# Altium PCB PCB1.PcbDoc (part 4 of 5)
Units mm, origin at the board's own origin, x right, y up, seen from the top; angles counter-clockwise.
Board outline 85 x 56 mm, 6 copper layers (Top Layer, GND, SIG_PWR, Layer 4, PWR, Bottom Layer), stack 1.549 mm thick; 170 components, 334 nets, 1426 pads, 803 vias.
Unrouted connection lines stored in the file: 7.
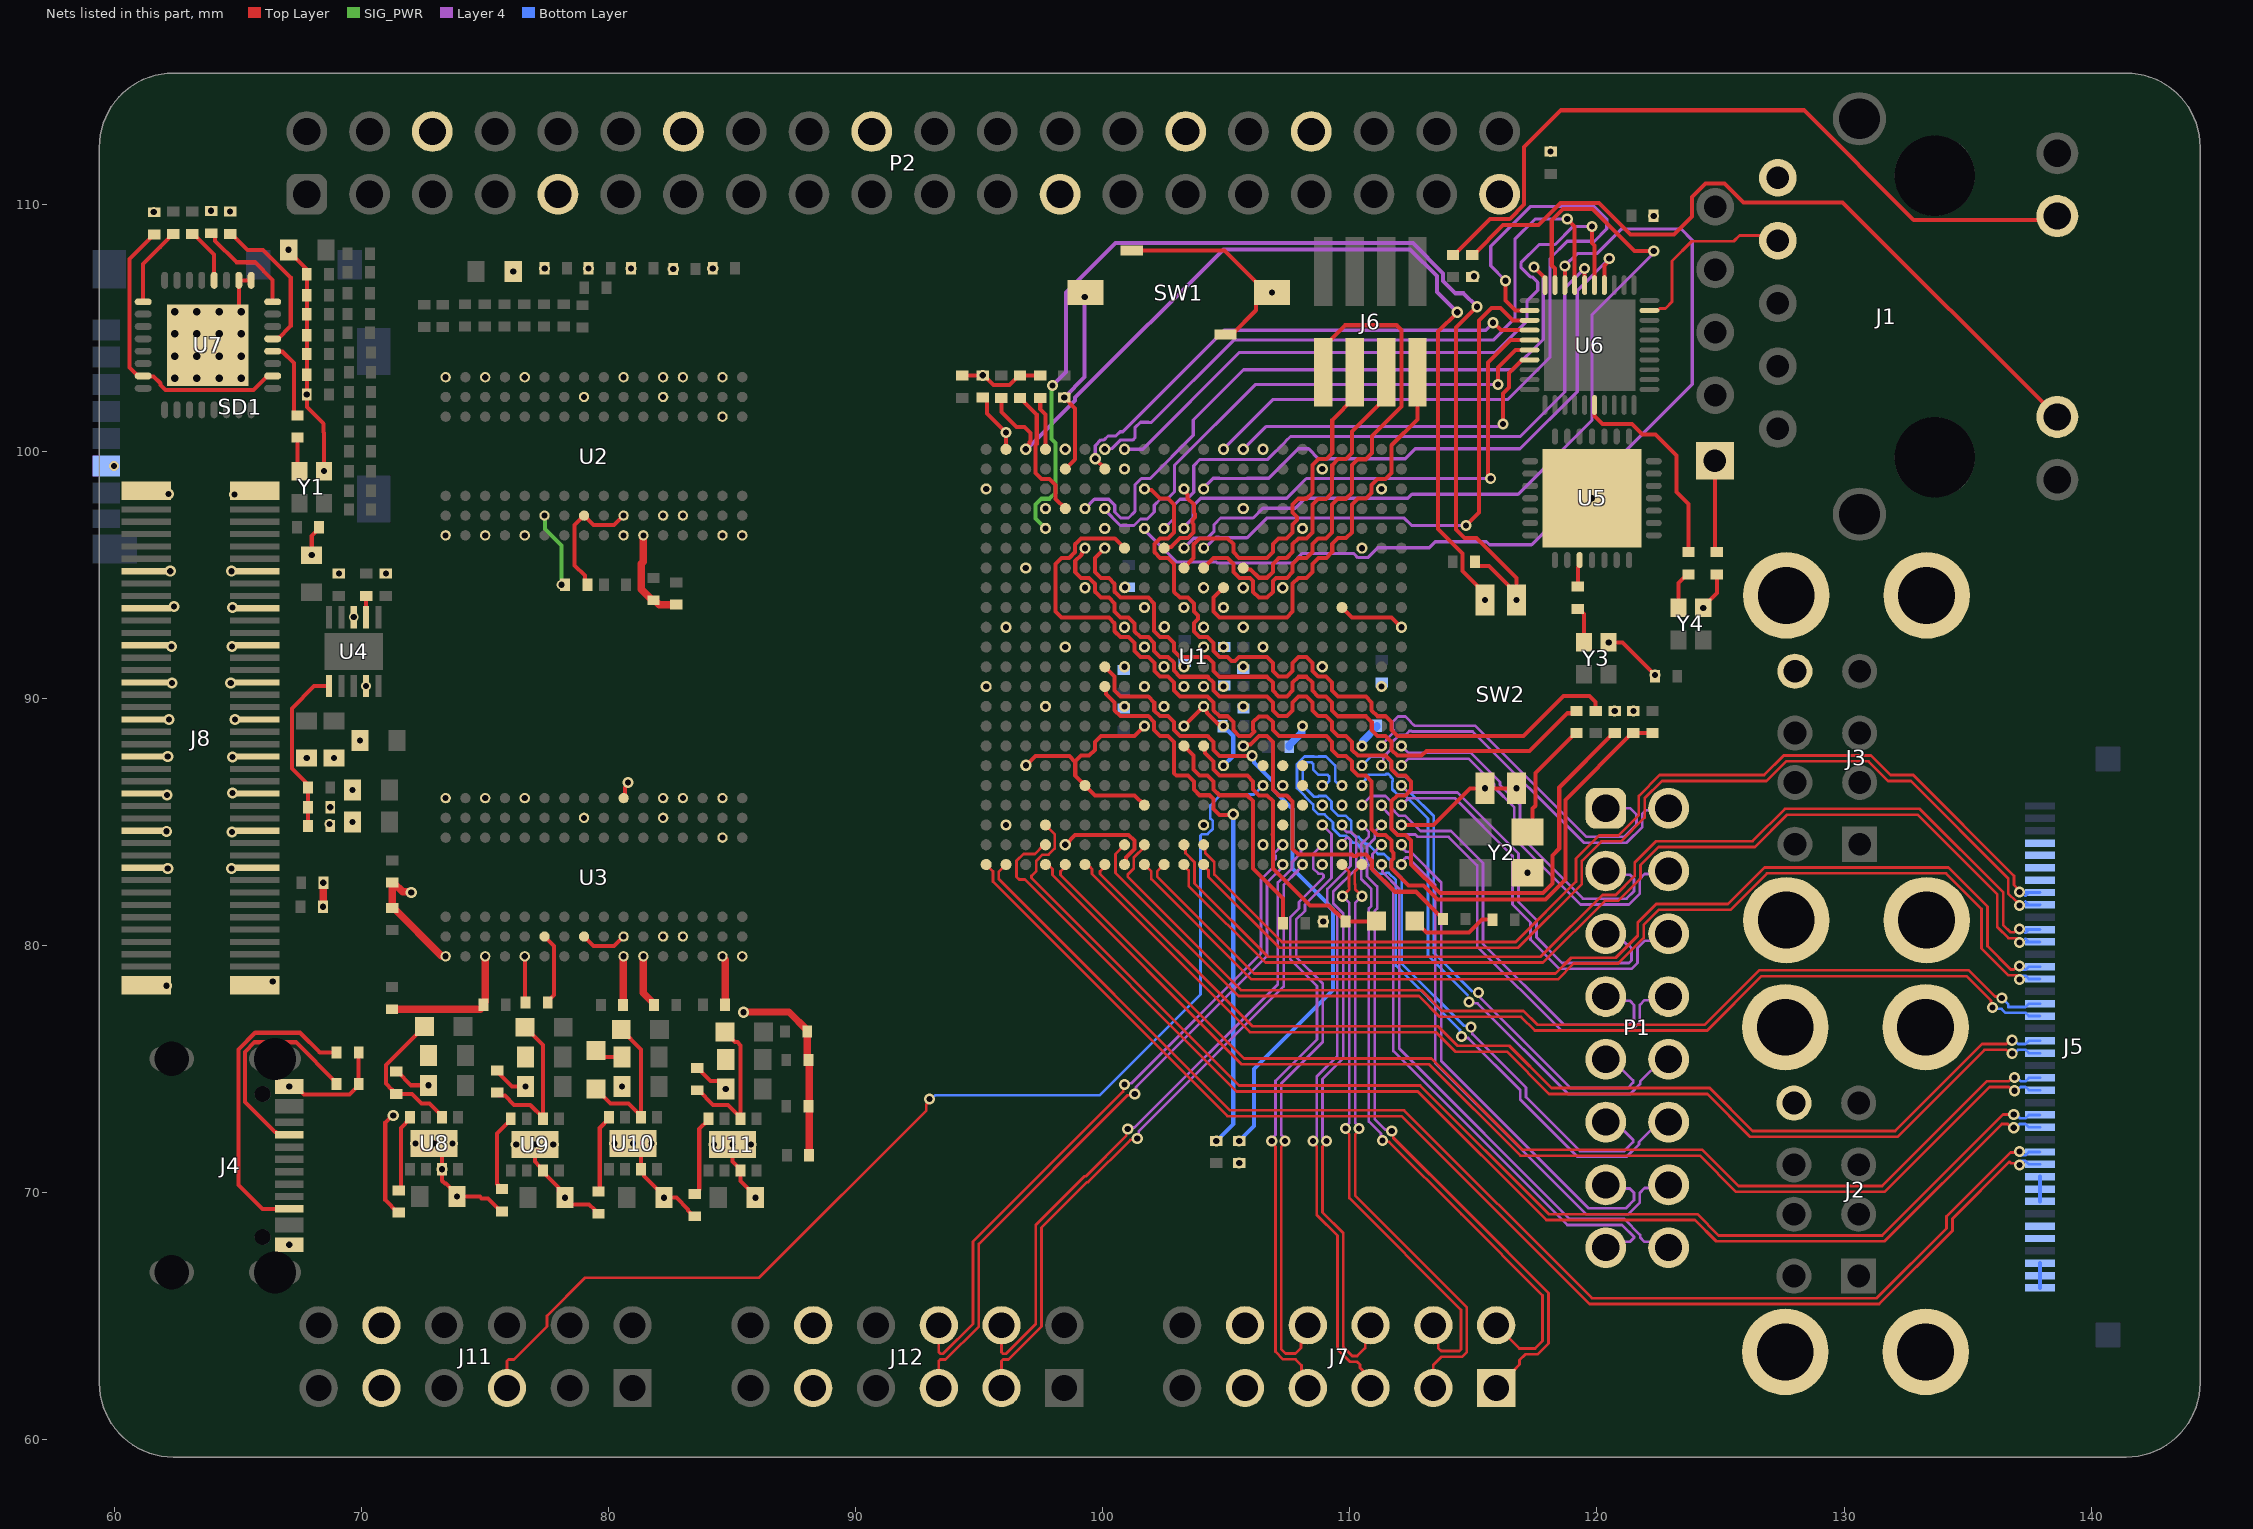
[diagram p8: the nets of this part, all layers, seen from the top]

## Via types
v1: diameter 0.45, hole 0.25, Top Layer to Bottom Layer, tented both sides, 575 vias
v2: diameter 0.4, hole 0.25, Top Layer to Bottom Layer, tented both sides, 212 vias
v3: diameter 0.5, hole 0.3, Top Layer to Bottom Layer, tented both sides, 16 vias

## Nets (pads, with @x,y where several pads share a name; then routed paths per layer and width w, separated by ;. In a path a pad name is that pad's centre, name@x,y a point inside that pad or via, vN(x,y) a via of type N, cw(c..) or ccw(c..) an arc to the next point about the centre after c; other vN are vias at no path point) (continued)
ETH_MDI3_P: J1.P8 U6.9 | length 7.5
  Top Layer w0.11: U6.9@122.125,105.7 122.449,105.7 122.531,105.782 122.768,105.782 123.038,106.052 123.038,107.703 123.835,108.5 125.535,108.5 125.767,108.733 127.115,108.733 J1.P8@127.322,108.526
ETH_MDIO: U1.C12 U6.14 | length 24.2
  Top Layer w0.164: U6.14@120.3,106.725 120.3,107.523 120.5,107.723 v1(120.5,107.8)
  Layer 4 w0.13: v1(104.088,98.481) 104.088,98.531 104.468,98.911 104.721,98.911 104.731,98.901 105.845,98.901 105.855,98.911 106.72,98.911 107.91,100.1 108.332,100.1 108.731,99.701 112.245,99.701 112.644,100.1 116.887,100.1 119.2,102.413 119.2,106.5 v1(120.5,107.8)
ETH_RX_CLK: U1.A14 U6.27 | length 14.2
  Top Layer w0.164: v1(116.2,101.1) 116.2,102.339 116.449,102.588 116.449,103.174 116.963,103.688 117.263,103.688 U6.27@117.275,103.7
  Layer 4 w0.13: v1(105.688,100.081) 106.607,101 116.014,101 116.114,101.1 v1(116.2,101.1)
ETH_RX_CTL: U1.D7 U6.26 | length 21.6
  Top Layer w0.164: v1(116,102.7) 116,103.4 116.7,104.1 U6.26@117.275,104.1
  Layer 4 w0.13: v1(100.088,97.681) 100.088,97.632 100.72,97 101.269,97 101.531,97.261 101.806,97.261 102.088,97.544 102.088,97.819 102.34,98.071 102.616,98.071 102.908,98.363 102.908,99.439 106.169,102.7 v1(116,102.7)
ETH_RXD0: U1.E11 U6.25 | length 20.3
  Top Layer w0.164: v1(115.7,98.9) 115.7,98.977 115.6,99.077 115.6,103.6 116.5,104.5 U6.25@117.275,104.5
  Layer 4 w0.13: v1(103.288,96.881) 103.288,96.931 103.668,97.311 103.668,97.799 103.97,98.101 107.445,98.101 108.244,98.9 v1@115.6,98.9
ETH_RXD1: U1.B7 U6.24 | length 20.9
  Top Layer w0.164: v1(99.7,99.7) 99.7,99.685 100.088,99.297 U1.B7@100.088,99.281 ; v1(115.8,105.2) 115.819,105.2 116.119,104.9 U6.24@117.275,104.9
  Layer 4 w0.13: v1(99.7,99.7) 99.7,100.231 99.931,100.461 100.059,100.461 100.218,100.62 100.532,100.62 100.709,100.796 100.821,100.796 104.925,104.9 115.5,104.9 v1(115.8,105.2)
ETH_RXD2: U1.F12 U6.23 | length 22.2
  Top Layer w0.164: v1(114.7,97) 115.225,97.525 115.225,97.714 115.221,97.717 115.221,98.046 115.225,98.05 115.225,105.286 115.736,105.797 116.102,105.797 116.599,105.3 U6.23@117.275,105.3
  Layer 4 w0.13: v2(104.1,96.1) 104.156,96.1 104.59,96.534 104.698,96.534 104.731,96.501 105.845,96.501 106.644,97.3 112.207,97.3 112.507,97 v1(114.7,97)
ETH_RXD3: U1.A13 U6.22 | length 31.1
  Top Layer w0.164: v1(116.3,106.9) 116.3,106.1 116.7,105.7 U6.22@117.275,105.7
  Layer 4 w0.13: v1(104.888,100.081) 106.907,102.1 116.4,102.1 118.1,103.8 118.1,107.8 118.8,108.5 119.9,108.5 120.4,109 120.4,109.4 119.9,109.9 117.3,109.9 115.7,108.3 115.7,107.5 v1(116.3,106.9)
ETH_TX_CLK: U1.D6 U6.20 | length 27.2
  Top Layer w0.164: v1@117.4,107.5 117.415,107.5 117.9,107.015 U6.20@117.9,106.725
  Layer 4 w0.13: v1(99.288,97.681) 99.668,98.061 100.245,98.061 100.488,97.819 100.488,97.544 100.731,97.301 101.045,97.301 101.308,97.563 101.308,98.639 101.57,98.901 101.927,98.901 103.668,100.643 103.668,101.268 105.7,103.3 116.6,103.3 117.826,104.526 117.826,107.074 v1(117.45,107.45)
ETH_TX_CTL: U1.F11 U6.19 | length 34.4
  Top Layer w0.164: U6.19@118.3,106.725 118.3,107.399 118.17,107.528 118.17,109.332 118.636,109.797 119.828,109.797 121.525,108.1 v1(122.3,108.1)
  Layer 4 w0.13: v2(103.3,96.1) 103.3,96.102 103.683,96.485 104.23,96.485 104.508,96.763 104.508,97.039 104.77,97.301 106.086,97.301 106.485,97.7 107.8,97.7 108.201,98.101 112.351,98.101 112.512,98.262 116.811,98.262 119.8,101.251 119.8,105.525 122.3,108.025 v1(122.3,108.1)
ETH_TXD0: U1.E9 U6.18 | length 38.6
  Top Layer w0.164: U6.18@118.7,106.725 v1(118.7,107.5)
  Layer 4 w0.13: v1(101.688,96.881) 101.688,96.832 103,95.52 104.6,95.52 104.639,95.481 107.683,95.481 108.064,95.861 110.17,95.861 110.331,95.701 110.734,95.701 111.133,96.1 113.211,96.1 113.453,96.342 115.53,96.342 115.654,96.218 117.356,96.218 123.855,102.718 123.855,108.545 123.4,109 121,109 120,108 119.2,108 v1(118.7,107.5)
ETH_TXD1: U1.A7 U6.17 | length 27.5
  Top Layer w0.164: v1(118.8,109.4) 119.1,109.1 119.1,108 U6.17@119.1,106.725
  Layer 4 w0.13: v1(100.088,100.081) 100.124,100.117 100.386,100.117 100.731,100.461 101.231,100.461 101.308,100.538 101.308,100.957 101.531,101.18 101.845,101.18 101.859,101.167 101.967,101.167 105.3,104.5 115.8,104.5 116.68,105.38 116.68,106.218 ; 116.68,106.219 116.68,107.057 ; 116.68,107.058 116.68,108.58 117.5,109.4 v1(118.8,109.4)
ETH_TXD2: U1.E10 U6.16 | length 25.5
  Top Layer w0.164: U6.16@119.5,106.725 v1(119.5,107.4)
  Layer 4 w0.13: v1(102.488,96.881) 102.868,97.261 102.868,97.799 103.131,98.061 103.406,98.061 103.688,98.344 103.688,99.419 103.94,99.671 106.677,99.671 107.4,100.395 107.4,100.4 107.6,100.6 116.9,100.6 118.7,102.4 118.7,106.6 v1(119.5,107.4)
ETH_TXD3: U1.A8 U6.15 | length 27.2
  Top Layer w0.164: v1(119.8,109.1) 119.8,108.423 119.9,108.323 U6.15@119.9,106.725
  Layer 4 w0.13: v1(100.888,100.081) 101.62,100.081 105.539,104 115.9,104 117.175,105.275 117.175,106.087 117.605,106.518 117.605,106.832 117.382,107.055 117.307,107.055 116.923,107.44 116.923,107.623 117.669,108.369 118.307,108.369 119.038,109.1 v1(119.8,109.1)
GND: C1.1 C2.1 C3.1 C4.1 C5.1 C6.2 C7.2 C8.2 C9.2 C10.2 C11.1 C12.2 C13.2 C14.1 C15.1 C16.1 C17.1 C18.1 C19.1 C20.1 C21.1 C22.1 C23.1 C24.1 C25.1 C26.1 C27.1 C28.1 C29.1 C30.1 C31.2 C32.1 C33.2 C34.1 C35.1 C36.1 C37.1 C38.1 C39.1 C40.1 C41.1 C42.1 C43.1 C44.1 C45.1 C46.1 C47.1 C48.1 C49.1 C50.1 C51.1 C52.1 C53.1 C54.1 C55.1 C56.1 C57.1 C58.1 C59.1 C60.1 C61.1 C62.1 C63.1 C64.1 C65.1 C66.1 C67.1 C68.1 C69.1 C70.1 C71.1 C72.1 C73.1 J1.P10 J2.4' J2.5 J2.6 J2.7 J2.8 J3.4' J3.5 J3.6 J3.7 J3.8 J4.A1-B12 J4.B1-A12 J7.9 J7.10 J8.1 J8.2 J8.13 J8.14 J8.19 J8.20 J8.25 J8.26 J8.31 J8.32 J8.37 J8.38 J8.43 J8.44 J8.49 J8.50 J8.55 J8.56 J8.61 J8.62 J8.79 J8.80 J11.9 J11.10 J12.9 J12.10 P2.6 P2.9 P2.14 P2.20 P2.25 P2.30 P2.34 P2.39 R1.2 R2.2 R4.2 R9.1 R12.2 R13.2 R16.2 R17.2 R43.2 R47.2 R50.2 R51.2 R52.2 R53.2 R54.2 R56.2 R64.2 R65.2 R66.2 SD1.6 SW1.2 SW1.3 SW1.4 SW2.1 SW2.2 U1.A5 U1.A15 U1.AA5 U1.AA15 U1.AB8 U1.AB18 U1.B8 U1.B18 U1.C1 U1.C11 U1.C21 U1.D4 U1.D14 U1.E7 U1.E17 U1.F10 U1.F20 U1.G3 U1.H6 U1.H8 U1.H12 U1.H14 U1.H16 U1.J9 U1.J11 U1.J13 U1.J19 U1.K2 U1.K8 U1.K10 U1.K12 U1.K14 U1.K22 U1.L5 U1.L9 U1.L12 U1.L13 U1.L15 U1.M8 U1.M10 U1.M11 U1.M14 U1.M18 U1.N1 U1.N9 U1.N11 U1.N12 U1.N13 U1.N21 U1.P4 U1.P8 U1.P10 U1.P12 U1.P14 U1.R9 U1.R11 U1.R13 U1.R17 U1.T20 U1.U3 U1.U13 U1.V6 U1.V16 U1.W9 U1.W19 U1.Y2 U1.Y12 U1.Y22 U2.A9 U2.B1 U2.B3 U2.B9 U2.D1 U2.D8 U2.E1 U2.E2 U2.E8 U2.F9 U2.G1 U2.G8 U2.G9 U2.J2 U2.J8 U2.M1 U2.M9 U2.P1 U2.P9 U2.T1 U2.T9 U3.A9 U3.B1 U3.B3 U3.B9 U3.D1 U3.D8 U3.E1 U3.E2 U3.E8 U3.F9 U3.G1 U3.G8 U3.G9 U3.J2 U3.J8 U3.M1 U3.M9 U3.P1 U3.P9 U3.T1 U3.T9 U4.4 U4.8 U5.29 U7.1 U7.2 U7.33 U8.3 U8.9 U9.3 U9.9 U10.3 U10.9 U11.3 U11.9 Y1.2 Y2.2 Y3.2 Y4.2 | length 130.5
  Top Layer w0.164: v3(65.15,105.65) 65.05,105.75 U7.2@65.05,106.92 U7.1@65.55,106.92 ; C32.1@67.075,108.15 67.075,108.075 67.8,107.35 C38.1@67.8,107.168 C40.1@67.8,106.311 C35.1@67.8,105.546 C44.1@67.8,104.7 C39.1@67.8,103.936 C41.1@67.8,103.1 v2(67.8,102.3) 67.8,101.791 68.475,101.116 68.475,100.775 68.5,100.75 v1(68.5,99.202) ; v1(67.09,74.3) 67.365,74.3 67.686,73.979 69.529,73.979 69.9,74.35 R65.2@69.9,74.4 R66.2@69.9,75.675 ; C1.1@68.057,95.8 v2(68,95.8) 68,96.575 68.3,96.875 C10.2@68.3,96.925 ; v1(71.3,73.125) 71.25,73.125 70.975,72.85 70.975,69.7 71.475,69.2 C20.1@71.525,69.2 ; R12.2@71.425,74.9 71.475,74.9 72.025,74.35 v1(72.725,74.35) ; v1(72.95,72) 73.275,71.675 v1(73.275,70.95) 73.275,70.487 73.391,70.371 73.429,70.371 73.875,69.925 v1(73.875,69.85) 74.8,69.85 74.875,69.775 75.125,69.775 75.65,69.25 C21.1@75.7,69.25 ; R13.2@75.5,74.85 75.55,74.85 76.1,74.3 C19.1@76.8,74.3 ; v2(76.618,79.569) 76.634,79.553 76.634,77.716 R2.2@76.65,77.7 ; v1(77.025,71.95) 77.025,71.268 77.225,71.068 77.232,71.068 77.35,70.95 U9.3@77.35,70.9 77.35,70.85 77.982,70.218 77.982,70.068 v1(78.25,69.8) 78.25,69.725 78.45,69.525 79.225,69.525 79.432,69.318 79.432,69.268 79.55,69.15 C28.1@79.6,69.15 ; U3.J8@79.018,80.369 79.4,79.987 80.236,79.987 v2(80.618,80.369) ; R1.2@79.15,94.6 79.051,94.699 79.051,94.971 78.636,95.386 78.636,97.018 U2.J8@79.018,97.4 79.4,97.018 80.236,97.018 v2(80.618,97.4) ; R16.2@79.5,75.754 79.754,75.5 C25.1@80.55,75.5 ; U3.G1@80.618,85.969 80.667,86.018 80.667,86.39 80.8,86.523 v1(80.8,86.6) ; v1(81,72) 81.325,71.675 U10.3@81.325,70.95 81.443,70.832 81.443,70.682 82.25,69.875 v1(82.25,69.8) 82.75,69.8 83.222,69.328 83.222,69.278 83.45,69.05 C29.1@83.5,69.05 ; R17.2@83.6,75.05 83.65,75.05 83.768,74.932 83.768,74.882 84.128,74.522 84.578,74.522 C26.1@84.8,74.3 ; v1(85.025,71.95) 85.025,71.268 85.353,70.94 85.353,70.472 85.95,69.875 v1(85.95,69.8) ; R54.2@94.325,103.06 94.332,103.068 95.143,103.068 v1(95.15,103.075) 95.2,103.075 95.318,102.957 95.318,102.946 95.586,102.678 96.227,102.678 96.609,103.06 R53.2@96.659,103.06 R52.2@97.475,103.06 ; U1.U3@96.888,87.281 U1.U3@96.888,87.288 ; v1(96.9,87.3) U1.U3@96.888,87.288 ; v1(98.488,84.081) 98.885,84.478 101.052,84.478 101.285,84.246 101.285,83.917 100.943,83.575 100.943,83.336 U1.AB8@100.888,83.281 ; U1.H8@100.888,94.481 100.888,94.488 v1(100.9,94.5) ; SW1.3@101.176,108.126 104.926,108.126 SW1.2@106.626,106.426 ; U1.W9@101.688,85.681 101.288,86.081 99.688,86.081 U1.V6@99.288,86.481 98.891,86.878 98.891,87.44 ; v1(101.688,88.881) 101.291,88.484 99.93,88.484 99.691,88.246 99.691,87.923 99.452,87.684 99.13,87.684 98.891,87.446 98.891,87.44 ; U1.F10@102.488,96.081 102.543,96.136 102.775,96.136 103.124,96.484 103.452,96.484 103.685,96.717 103.685,97.046 103.637,97.094 103.637,97.23 103.739,97.333 103.739,97.468 103.691,97.517 103.691,97.839 103.437,98.093 103.437,98.255 103.288,98.404 v1(103.288,98.481) ; v1(103.288,88.881) v1(104.088,89.681) 104.088,89.604 104.231,89.46 104.231,89.417 104.713,88.936 104.833,88.936 v1(104.888,88.881) ; SW1.4@104.976,104.726 105.226,104.726 106.208,105.708 106.208,106.008 SW1.2@106.626,106.426 ; v1(106.851,106.426) SW1.2@106.626,106.426 ; U1.J19@109.688,93.681 110.088,93.281 111.688,93.281 v1(112.088,92.881) ; v1(112.088,84.881) 113.381,84.881 114.866,86.366 v1(115.475,86.366) v1(116.745,86.366) ; v1(120.475,92.271) 121.029,92.271 v1(122.35,90.95) C33.2@122.35,90.9 ; v1(124.3,93.666) 124.3,93.716 124.85,94.266 C31.2@124.85,95.02 ; U1.U3@96.888,87.288 96.895,87.288 97.285,87.678 98.652,87.678 98.891,87.44
  Top Layer w0.3: v2(68.45,81.575) 68.462,81.588 68.462,82.538 v2(68.469,82.544) C65.1@68.475,82.55 ; C47.1@71.25,77.425 74.815,77.425 74.95,77.56 C49.1@74.95,77.61 74.95,77.66 75.018,77.728 v2(75.018,79.569) ; C46.1@71.259,82.55 71.259,81.525 71.308,81.525 73.241,79.592 73.395,79.592 v2(73.418,79.569) ; C46.1@71.259,82.55 71.309,82.55 71.68,82.179 71.996,82.179 v1(72.025,82.15) ; C34.1@80.6,77.6 80.609,77.609 80.609,79.56 v2(80.618,79.569) ; v2(81.418,79.569) 81.418,78.082 81.8,77.7 81.8,77.65 C36.1@81.85,77.6 ; v2(81.418,96.6) 81.418,95.531 81.336,95.449 81.336,94.414 81.775,93.975 C37.1@81.825,93.975 81.875,93.975 82.054,93.796 C43.1@82.75,93.796 ; v2(84.618,79.569) 84.618,79.537 84.725,79.43 C30.1@84.725,77.61 ; v1(85.47,77.304) 85.48,77.314 87.311,77.314 88.05,76.575 C68.1@88.05,76.525 ; C68.1@88.05,76.475 88.05,75.425 C70.1@88.1,75.375 ; C73.1@88.125,71.525 C70.1@88.125,75.375
  SIG_PWR w0.164: v1@68.45,99.175 68.477,99.202 v1(68.5,99.202)
  Bottom Layer w0.164: v1(104.888,87.281) 105.285,87.678 105.285,88.484 v1(104.888,88.881)
  Bottom Layer w0.3: C60.1@107.55,88.05 107.55,88.1 108.059,88.609 108.059,88.853 v1(108.088,88.881) ; v1(110.488,88.081) 110.517,88.11 110.517,88.267 111.1,88.85 C62.1@111.1,88.9
  other v1: 67.09,67.9 105.525,71.2 76.275,71.95 77.775,71.95 84.275,71.95 85.775,71.95 72.2,72 73.7,72 80.25,72 81.75,72 84.75,74.2 76.65,74.3 80.55,74.3 62.125,78.375 66.425,78.55 108.925,80.975 117.192,82.951 62.175,83.125 64.75,83.125 108.888,83.281 106.488,84.081 64.775,84.6 62.125,84.625 96.088,84.881 104.088,84.881 109.688,85.681 62.15,86.1 64.8,86.175 107.288,86.481 64.793,87.632 62.175,87.65 62.225,89.15 64.9,89.15 120.718,89.497 121.475,89.496 97.688,89.681 100.888,89.681 102.488,89.681 105.688,89.681 95.288,90.481 101.688,90.481 103.288,90.481 104.088,90.481 104.888,90.481 111.288,90.481 62.35,90.625 64.725,90.625 100.888,91.281 102.488,91.281 103.288,91.281 105.688,91.281 108.888,91.281 98.488,92.081 101.688,92.081 104.088,92.081 104.888,92.081 106.488,92.081 62.325,92.1 64.775,92.1 96.088,92.881 100.888,92.881 102.5,92.9 104.088,92.881 105.688,92.881 64.8,93.675 101.688,93.681 103.288,93.681 104.888,93.681 62.425,93.725 99.288,94.481 104.088,94.481 105.688,94.481 107.288,94.481 62.275,95.15 64.75,95.15 96.888,95.281 110.488,96.081 100.088,96.881 108.088,96.881 97.688,97.681 105.688,97.681 64.875,98.25 62.2,98.275 95.288,98.481 111.288,98.481 100.888,99.281 108.888,99.281 98.488,100.081 106.488,100.081 115.03,107.085 76.15,107.275 82.625,107.375 77.425,107.4 79.2,107.4 80.921,107.4 84.225,107.4 122.295,109.525 118.125,112.125
  other v2: 85.418,79.569 82.218,80.369 83.018,80.369 84.618,84.369 68.725,84.925 69.65,85 79.018,85.169 82.218,85.169 68.75,85.6 73.418,85.969 75.018,85.969 76.618,85.969 82.218,85.969 83.018,85.969 84.618,85.969 69.65,86.3 67.796,87.591 68.9,87.591 69.95,88.3 70.2,90.5 69.7,93.29 69.1,95.05 71,95.05 73.418,96.6 75.018,96.6 76.618,96.6 80.618,96.6 84.618,96.6 85.418,96.6 82.218,97.4 83.018,97.4 119.8,98.1 60,99.4 84.618,101.4 79.018,102.2 82.218,102.2 73.418,103 75.018,103 76.618,103 80.618,103 82.218,103 83.018,103 84.618,103 67.06,108.159 61.61,109.684 64.694,109.709 63.919,109.734
  other v3: 62.45,102.95 63.35,102.95 64.25,102.95 65.15,102.95 62.45,103.85 63.35,103.85 64.25,103.85 65.15,103.85 62.45,104.75 63.35,104.75 64.25,104.75 65.15,104.75 62.45,105.65 63.35,105.65 64.25,105.65
LVDS_BL_EN: J5.36
LVDS_BL_PWM: J5.35
LVDS_EDID_SCL: J5.7
LVDS_EDID_SSDA: J5.6
LVDS_L0_N: J5.9 U1.AB12 | length 42.8
  Top Layer w0.11: U1.AB12@104.088,83.281 104.088,83.24 104.281,83.047 104.281,82.784 107.152,79.913 116.813,79.913 119.39,82.49 119.39,83.422 120.187,84.218 120.966,84.218 121.93,85.182 121.93,85.962 122.632,86.663 126.864,86.663 127.656,87.455 130.984,87.455 131.776,86.663 132.7,86.663 136.636,82.727 136.636,82.112 136.967,81.782 v1@137.004,81.782
  Bottom Layer w0.11: v1(137.102,81.63) 137.112,81.64 137.915,81.64 J5.9@137.925,81.65 137.475,81.65 J5.9@137.343,81.782
LVDS_L0_P: J5.8 U1.AA12 | length 43.4
  Top Layer w0.11: U1.AA12@104.088,84.081 104.153,84.016 104.153,83.739 104.518,83.374 104.518,82.882 107.25,80.15 116.715,80.15 119.153,82.588 119.153,83.52 120.089,84.455 120.868,84.455 121.693,85.28 121.693,86.06 122.534,86.9 126.766,86.9 127.558,87.692 131.082,87.692 131.874,86.9 132.798,86.9 136.873,82.825 136.873,82.461 137.102,82.233 v1@137.102,82.018
  Bottom Layer w0.11: v1(137.102,82.17) 137.112,82.16 137.915,82.16 J5.8@137.925,82.15 137.475,82.15 J5.8@137.343,82.018
LVDS_L1_N: J5.12 U1.AB11 | length 42.9
  Top Layer w0.11: U1.AB11@103.288,83.281 103.288,83.24 103.481,83.047 103.481,82.419 106.587,79.313 117.822,79.313 120.322,81.813 120.86,81.813 121.763,82.716 121.763,83.254 122.498,83.99 126.39,83.99 127.7,85.3 132.963,85.3 136.2,82.063 136.2,80.744 136.644,80.3 136.985,80.3 v1@137.004,80.282
  Bottom Layer w0.11: v1(137.102,80.13) 137.112,80.14 137.915,80.14 J5.12@137.925,80.15 137.475,80.15 J5.12@137.343,80.282
LVDS_L1_P: J5.11 U1.AA11 | length 43.4
  Top Layer w0.11: U1.AA11@103.288,84.081 103.353,84.016 103.353,83.739 103.718,83.374 103.718,82.517 106.685,79.55 117.724,79.55 120.224,82.05 120.762,82.05 121.526,82.814 121.526,83.352 122.4,84.227 126.292,84.227 127.602,85.537 133.061,85.537 136.437,82.161 136.437,80.842 136.742,80.537 136.877,80.537 136.945,80.605 v1@137.015,80.605
  Bottom Layer w0.11: v1(137.102,80.67) 137.112,80.66 137.915,80.66 J5.11@137.925,80.65 137.475,80.65 J5.11@137.343,80.518
LVDS_L2_N: J5.15 U1.AB9 | length 43.1
  Top Layer w0.11: U1.AB9@101.688,83.281 101.97,83 101.97,82.696 106.027,78.638 118.424,78.638 119.06,79.273 120.86,79.273 121.888,80.302 121.888,80.84 122.498,81.45 125.4,81.45 126.875,82.925 134.125,82.925 135.563,81.486 135.563,79.881 136.644,78.8 136.985,78.8 v1@137.004,78.782
  Bottom Layer w0.11: v1(137.102,78.63) 137.102,78.703 137.18,78.782 137.343,78.782 137.475,78.65 J5.15@137.925,78.65
LVDS_L2_P: J5.14 U1.AB10 | length 42.8
  Top Layer w0.11: U1.AB10@102.488,83.281 102.206,83 102.206,82.794 106.125,78.875 118.326,78.875 118.962,79.51 120.762,79.51 121.652,80.4 121.652,80.938 122.4,81.687 125.302,81.687 126.777,83.162 134.223,83.162 135.8,81.585 135.8,79.979 136.742,79.037 136.877,79.037 136.945,79.105 v1@137.015,79.105
  Bottom Layer w0.11: v1(137.102,79.17) 137.102,79.097 137.18,79.018 137.343,79.018 137.475,79.15 J5.14@137.925,79.15
LVDS_L3_N: J5.18 U1.AA8 | length 43
  Top Layer w0.11: U1.AA8@100.888,84.081 100.518,83.711 100.518,82.947 105.502,77.963 112.794,77.963 113.639,77.119 116.932,77.119 117.488,76.563 124.463,76.563 126.663,78.763 134.951,78.763 135.941,77.773 135.941,77.559 v1(136,77.5)
  Bottom Layer w0.11: v1(136,77.5) 136.056,77.444 136.368,77.444 136.53,77.282 137.343,77.282 137.475,77.15 J5.18@137.925,77.15
LVDS_L3_P: J5.17 U1.AA9 | length 42.6
  Top Layer w0.11: U1.AA9@101.688,84.081 101.688,83.999 101.258,83.569 101.258,83.128 101.019,82.889 101.019,82.781 105.6,78.2 112.892,78.2 113.737,77.355 117.03,77.355 117.586,76.8 124.365,76.8 126.565,79 135.049,79 136.109,77.94 136.323,77.94 v1(136.382,77.882)
  Bottom Layer w0.11: v1(136.382,77.882) 136.647,77.617 136.647,77.518 137.343,77.518 137.475,77.65 J5.17@137.925,77.65
LVDS_L4_N: J5.21 U1.AB6 | length 45
  Top Layer w0.11: U1.AB6@99.288,83.281 99.38,83.281 99.494,83.167 99.505,83.167 99.57,83.103 99.57,82.896 105.966,76.5 113.478,76.5 114.267,75.712 116.354,75.712 118.065,74 124.465,74 126.202,72.263 132.163,72.263 135.682,75.782 136.122,75.782 136.566,75.782 136.717,75.63 v1(136.8,75.63)
  Bottom Layer w0.11: v1(136.8,75.63) 136.883,75.63 137.034,75.782 137.343,75.782 137.475,75.65 J5.21@137.925,75.65
LVDS_L4_P: J5.20 U1.AB7 | length 44.5
  Top Layer w0.11: U1.AB7@100.088,83.281 99.996,83.281 100.02,83.257 100.02,83.127 99.897,83.004 99.897,82.904 106.064,76.737 113.577,76.737 114.365,75.948 116.452,75.948 118.163,74.237 124.563,74.237 126.3,72.5 132.065,72.5 135.584,76.018 136.221,76.018 136.566,76.018 136.717,76.17 v1(136.8,76.17)
  Bottom Layer w0.11: v1(136.8,76.17) 136.883,76.17 137.034,76.018 137.343,76.018 137.475,76.15 J5.20@137.925,76.15
LVDS_L5_N: J5.24 U1.AB4 | length 47.8
  Top Layer w0.11: U1.AB4@97.688,83.281 97.78,83.281 97.894,83.167 97.905,83.167 97.97,83.103 97.97,82.857 105.627,75.2 113.2,75.2 116.9,71.5 124.165,71.5 125.627,70.038 131.638,70.038 135.882,74.282 136.666,74.282 136.817,74.13 v1(136.9,74.13)
  Bottom Layer w0.11: v1(136.9,74.13) 136.992,74.13 137.144,74.282 137.343,74.282 137.475,74.15 J5.24@137.925,74.15
LVDS_L5_P: J5.23 U1.AB5 | length 47.4
  Top Layer w0.11: U1.AB5@98.488,83.281 98.396,83.281 98.42,83.257 98.42,83.127 98.297,83.004 98.297,82.865 105.725,75.437 113.298,75.437 116.998,71.737 124.263,71.737 125.725,70.275 131.54,70.275 135.784,74.518 136.666,74.518 136.817,74.67 v1(136.9,74.67)
  Bottom Layer w0.11: v1(136.9,74.67) 136.992,74.67 137.144,74.518 137.343,74.518 137.475,74.65 J5.23@137.925,74.65
LVDS_L6_N: J5.27 U1.AA4 | length 51.7
  Top Layer w0.11: U1.AA4@97.688,84.081 97.63,84.081 97.26,83.711 96.795,83.711 96.518,83.434 96.518,82.782 96.627,82.673 96.852,82.673 105.425,74.1 112.751,74.1 117.951,68.9 123.965,68.9 124.827,68.038 131.638,68.038 136.382,72.782 136.619,72.782 136.77,72.63 v1(136.863,72.63)
  Bottom Layer w0.11: v1(136.863,72.63) 136.955,72.63 137.106,72.782 137.343,72.782 137.475,72.65 J5.27@137.925,72.65
LVDS_L6_P: J5.26 U1.Y4 | length 51.8
  Top Layer w0.11: U1.Y4@97.688,84.881 98.058,84.511 98.058,83.928 97.811,83.681 97.565,83.681 97.318,83.434 97.318,83.018 97.125,82.825 97.125,82.734 105.523,74.337 112.849,74.337 118.049,69.137 124.063,69.137 124.925,68.275 131.54,68.275 136.435,73.17 v1(136.863,73.17)
  Bottom Layer w0.11: v1(136.863,73.17) 136.955,73.17 137.106,73.018 137.343,73.018 137.475,73.15 J5.26@137.925,73.15
LVDS_L7_N: J5.30 U1.AB1 | length 53.1